# Altium PCB Carte_Alim-light_alim.PcbDoc (part 2 of 3) (continued)
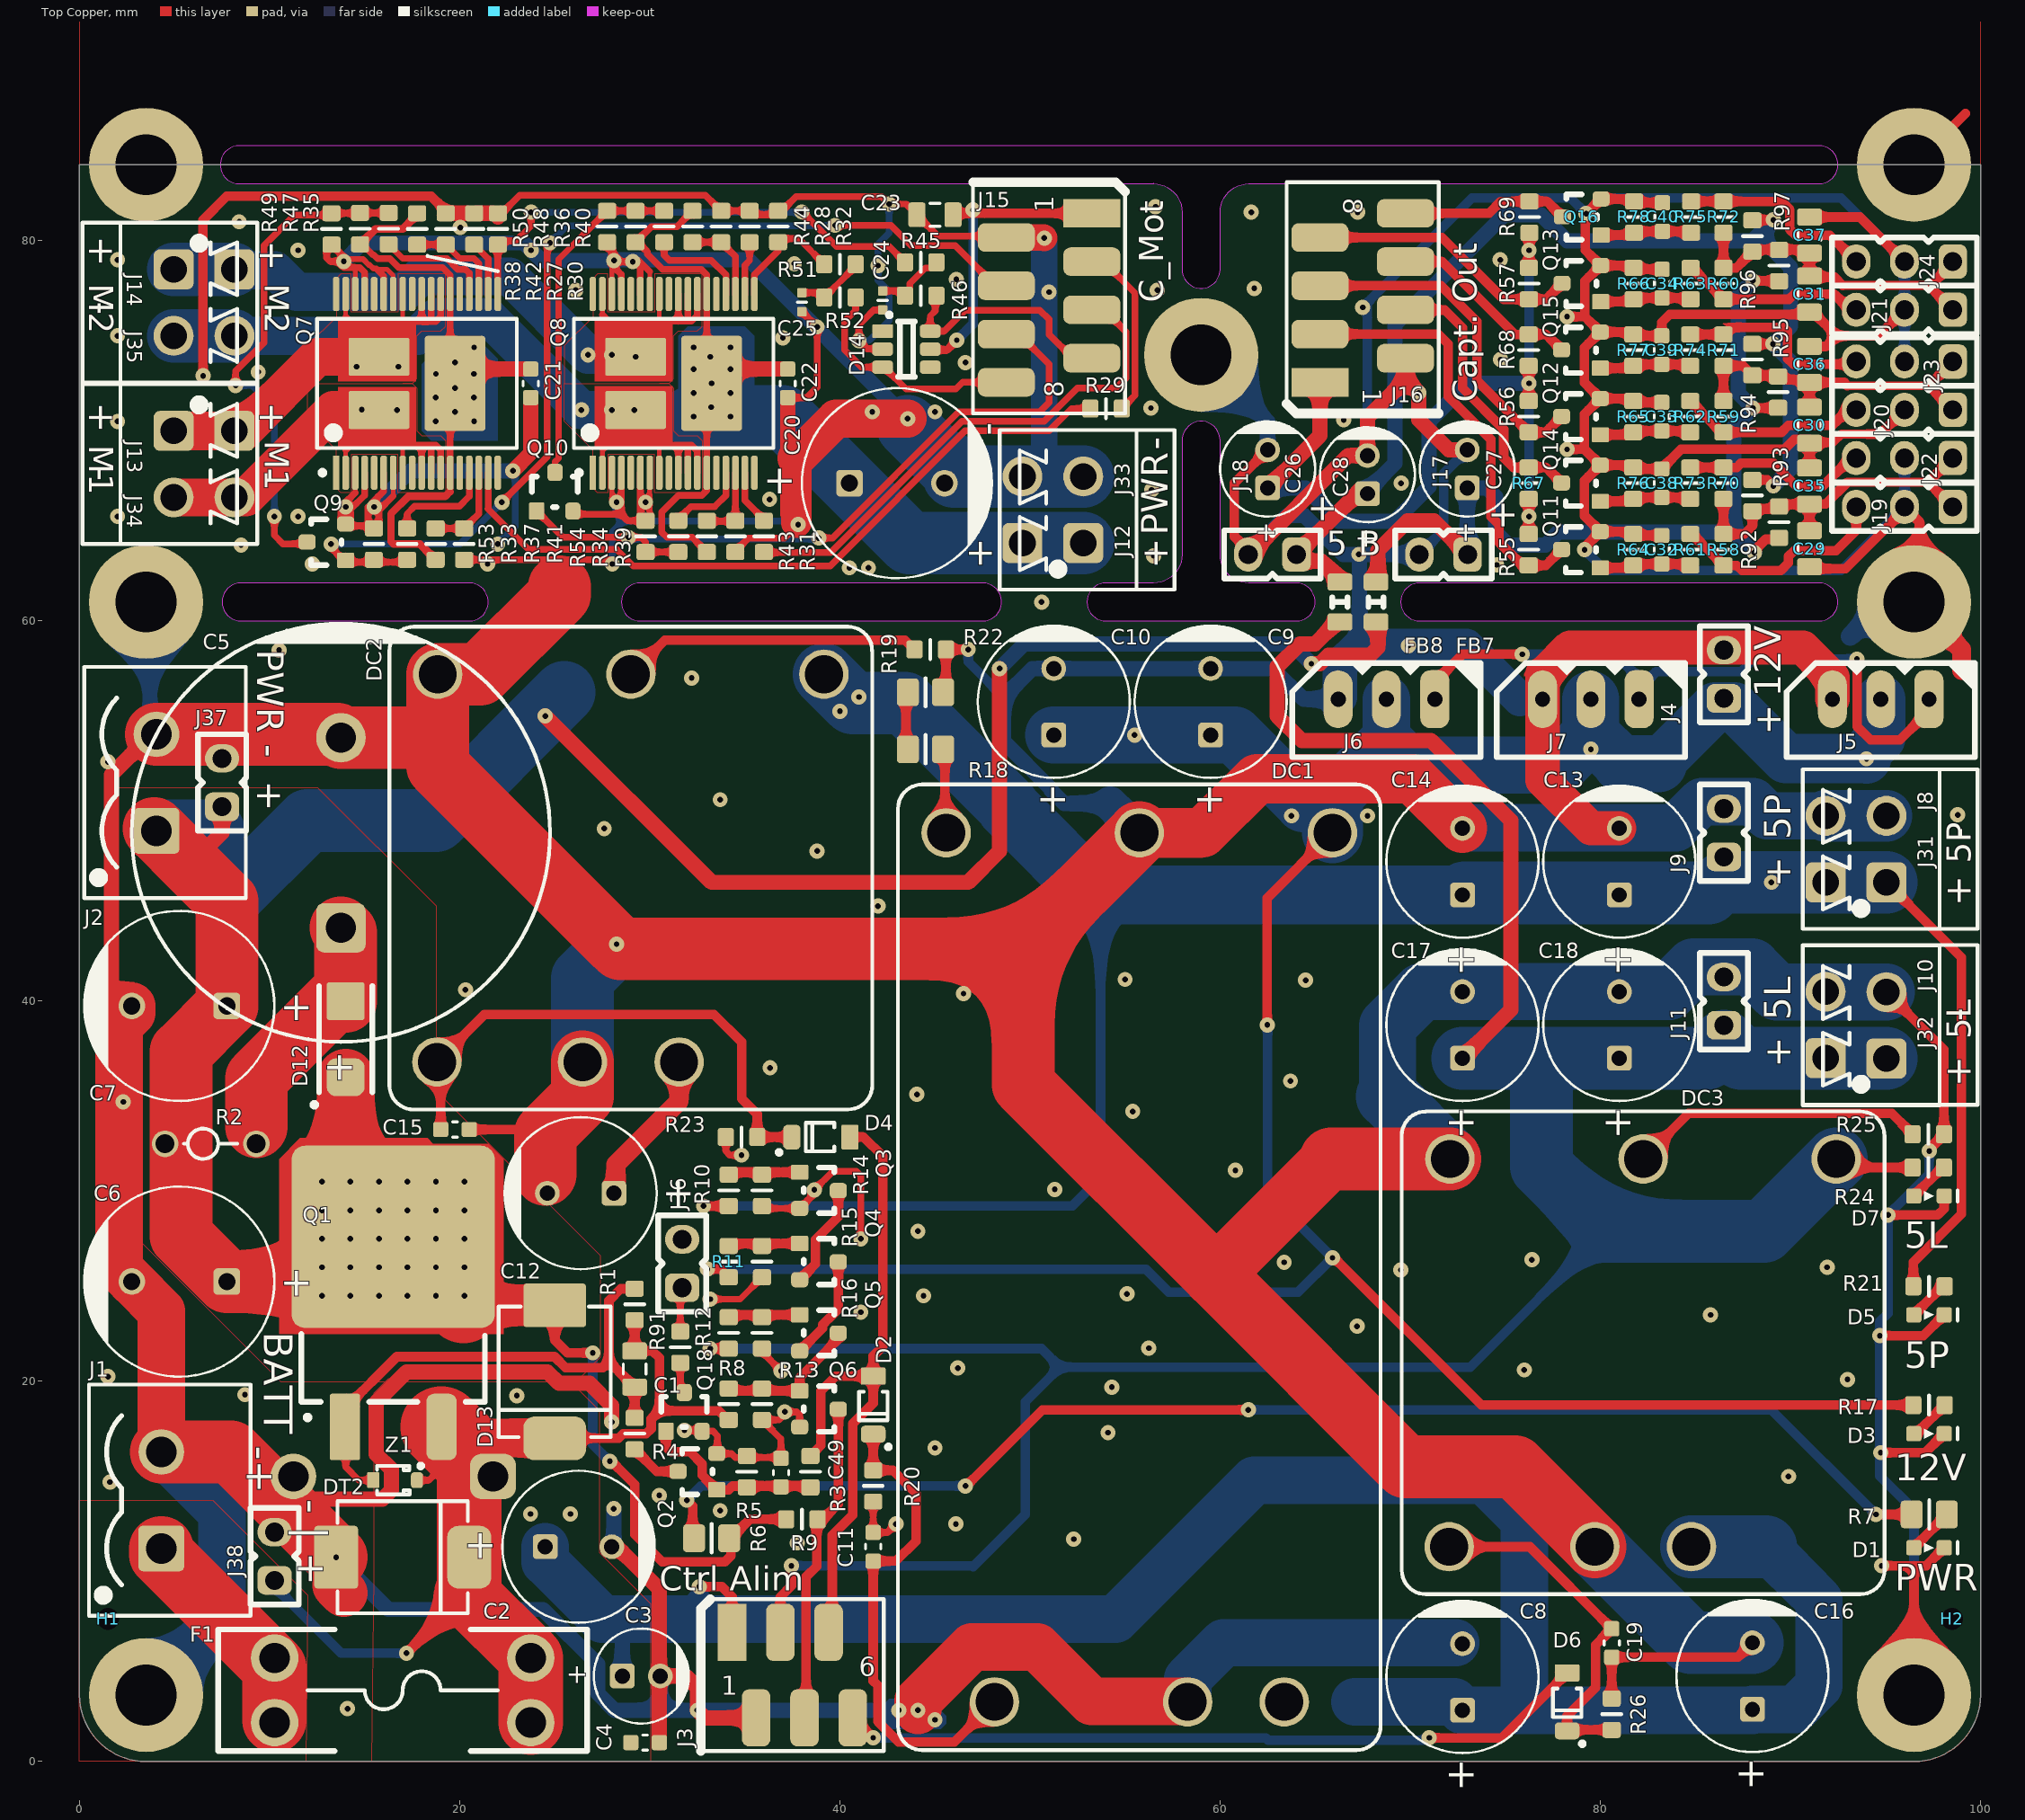
[diagram p0: Top Copper view]
## Nets (pads, with @x,y where several pads share a name; then routed paths per layer and width w, separated by ;. In a path a pad name is that pad's centre, name@x,y a point inside that pad or via, vN(x,y) a via of type N, cw(c..) or ccw(c..) an arc to the next point about the centre after c; other vN are vias at no path point) (continued)
NetJ20_3: J20.3 R59.1 R62.1 | length 9.9
  Top Copper w0.5: R62.1@84.73,71.575 86.38,69.925 89.525,69.925 89.9,70.3 92.2,70.3 93.01,71.11 J20.3@93.46,71.11
NetJ21_3: J21.3 R60.1 R63.1 | length 9.8
  Top Copper w0.5: R63.1@84.83,78.575 R60.1@86.48,76.925 89.925,76.925 90.2,77.2 92.297,77.2 93.127,76.37 J21.3@93.46,76.37
NetJ22_3: J22.3 R70.1 R73.1 | length 9.9
  Top Copper w0.5: R73.1@84.73,68.075 R70.1@86.48,68.075 87.175,68.075 87.4,68.3 89.1,68.3 90.3,67.1 91.7,67.1 93.17,68.57 J22.3@93.46,68.57
NetJ23_3: J23.3 R71.1 R74.1 | length 10.6
  Top Copper w0.5: R74.1@84.73,75.075 R71.1@86.48,75.075 86.855,75.45 89.65,75.45 89.852,75.248 89.852,73.797 90.097,73.552 90.11,73.552 90.158,73.504 93.314,73.504 J23.3@93.46,73.65
NetJ24_3: J24.3 R72.1 R75.1 | length 10.6
  Top Copper w0.5: R75.1@84.77,82.075 R72.1@86.48,82.075 89.525,82.075 89.973,81.627 89.973,80.59 90.266,80.297 92.073,80.297 J24.3@93.46,78.91
NetQ2_3: Q2.3 R4.2 | length 2.8
  Top Copper w0.5: R4.2@29.2,16.425 30.362,15.263 Q2.3@31.484,15.263
NetQ3_1: Q3.1 R10.1 R14.2 | length 3.6
  Top Copper w0.5: R10.1@34.278,31.003 Q3.1@37.884,31.003
NetQ3_3: Q3.3 Q4.2 | length 5.5
  Top Copper w0.5: Q4.2@37.884,25.348 38.711,26.175 38.711,27.453 39.916,28.657 Q3.3@39.916,30.037
NetQ4_1: Q4.1 R11.1 R15.2 | length 3.6
  Top Copper w0.5: R11.1@34.278,27.253 Q4.1@37.884,27.253
NetQ4_3: Q4.3 Q5.2 | length 5.5
  Top Copper w0.5: Q5.2@37.884,21.598 39.089,22.802 39.089,22.976 39.427,23.314 39.44,23.314 39.916,23.791 Q4.3@39.916,26.287
NetQ5_1: Q5.1 R12.1 R16.2 | length 3.6
  Top Copper w0.5: R12.1@34.278,23.503 Q5.1@37.884,23.503
NetQ5_3: Q5.3 Q6.1 R8.1 R13.2 | length 7.5
  Top Copper w0.5: R8.1@34.272,19.502 Q6.1@37.884,19.502 37.884,20.201 39.916,22.233 Q5.3@39.916,22.537
NetQ7_15: Q7.15 R33.2 | length 5.7
  Top Copper w0.35: R33.2@17.234,64.872 17.234,65.648 17.632,66.045 19.982,66.045 20.484,66.547 ; 20.5,66.547 Q7.15@20.5,67.8
NetQ7_16: Q7.16 R37.1 R41.2 | length 4.7
  Top Copper w0.35: R37.1@18.734,64.872 R41.2@20.234,64.872 21,65.638 Q7.16@21,67.8
NetQ7_17: Q7.17 R29.2 | length 38.3
  Top Copper w0.35: 21.484,65.906 23.632,63.758 28.268,63.758 29.126,62.9 39.49,62.9 46.59,70 51,70 52.175,71.175 R29.2@53.175,71.175 ; 21.5,65.906 Q7.17@21.5,67.8
NetQ7_20: Q7.20 R27.2 | length 2.9
  Top Copper w0.35: R27.2@20.758,79.799 21.484,79.073 21.486,79.073 21.5,79.059 Q7.20@21.5,77.2
NetQ7_21: Q7.21 R38.1 R42.2 | length 5.3
  Top Copper w0.35: R38.1@17.759,79.8 R42.2@19.259,79.8 19.275,79.8 20.002,79.073 20.743,79.073 21,78.816 Q7.21@21,77.2
NetQ7_22: Q7.22 R35.2 | length 6
  Top Copper w0.35: R35.2@16.259,79.815 17.001,79.073 19.327,79.073 19.898,78.502 20.298,78.502 20.5,78.3 Q7.22@20.5,77.2
NetQ8_15: Q8.15 R34.2 | length 4.5
  Top Copper w0.35: R34.2@31.5,65.075 R34.2@31.5,65.277 31.5,65.359 32.164,66.023 33.423,66.023 34,66.6 Q8.15@34,67.8
NetQ8_16: Q8.16 R39.1 R43.2 | length 4.1
  Top Copper w0.35: R39.1@33,65.075 33.175,65.25 34.5,65.25 R43.2@34.5,65.277 Q8.16@34.5,67.8
NetQ8_17: Q8.17 R31.2 | length 3.1
  Top Copper w0.35: Q8.17@35,67.8 35,66.348 36,65.348 R31.2@36,65.277 R31.2@36,65.075
NetQ8_20: Q8.20 R28.2 | length 2.8
  Top Copper w0.35: Q8.20@35,77.2 35,78.716 35.25,78.966 R28.2@35.25,79.925
NetQ8_21: Q8.21 R40.1 R44.2 | length 4.5
  Top Copper w0.35: R40.1@32.25,79.925 R44.2@33.75,79.925 34.5,79.175 Q8.21@34.5,77.2
NetQ8_22: Q8.22 R36.2 | length 5.4
  Top Copper w0.35: R36.2@30.75,79.925 30.75,79.25 31.023,78.977 33.235,78.977 34,78.212 Q8.22@34,77.2
NetQ17_1: 
NetQ17_3: 
NetQ18_3: Q18.3 R91.1 | length 1.6
  Top Copper w0.35: R91.1@31.6,20.975 31.6,19.688 Q18.3@31.844,19.444
NetQ19_1: 
NetR6_2: R6.2 R7.2 | length 71.1
  Top Copper w0.5: v1(31.944,13.75) 32.25,13.444 32.25,11.775 R6.2@32.225,11.75 ; v1(46.6,14.5) 46.65,14.5 50.65,18.5 v1(61.48,18.5) ; v1(94.5,13) R7.2@96.375,13 R7.2@96.182,12.807
  Bottom Copper w0.5: v1(31.944,13.75) 32.694,14.5 v1(46.6,14.5) ; v1(61.48,18.5) 89,18.5 v1(94.5,13)
NetR18_2: R18.2 R19.1 | length 3
  Top Copper w0.5: R18.2@43.475,53.25 R19.1@43.475,56.25
NetR85_2: 
NRST_NUCLEO: 
nRST_oDrive: J36.1 R91.2 | length 2.2
  Top Copper w0.35: R91.2@31.6,22.625 J36.1@31.6,24.83
PWR: C6.1 C7.1 C20.1 C21.2 C22.2 D12.2 D13.1 FB7.1 J2.1 J12.1 J33.1 J37.1 Q1.4 Q7.13 Q7.24 Q7.37 Q8.13 Q8.24 Q8.37 R2.1 R6.1 R9.2 R37.2 R38.2 R39.2 R40.2 R47.2 R48.2 | length 254.2
  Top Copper w0.35: R47.2@14.759,79.815 14.885,79.815 15.435,79.265 15.482,79.265 15.681,79.066 16.333,79.066 16.803,78.596 19.104,78.596 19.5,78.2 Q7.24@19.5,77.2 Q7.37@19.5,72.75 ; 19.5,66.798 Q7.13@19.5,67.8 Q7.37@19.5,72.25 ; R40.2@32.25,81.575 31.425,80.75 30.075,80.75 R48.2@29.25,79.925 29.371,79.925 29.875,79.421 29.875,79.3 30.675,78.5 32.712,78.5 33,78.212 Q8.24@33,77.2 Q8.37@33,72.75 ; R39.2@33,63.628 32.228,64.4 30.9,64.4 30.625,64.675 30.625,64.696 30.626,64.697 30.626,65.731 31.493,66.598 32.728,66.598 33,66.87 33,71.25 33,72.25 v1(33.25,72.5)
  Top Copper w0.4: R47.2@14.759,79.815 15.569,80.625 17.009,80.625 17.759,81.375 R38.2@17.759,81.45 ; R37.2@18.734,63.222 17.909,64.047 16.518,64.047 16.384,64.182 16.384,65.64 17.292,66.547 19.234,66.547 19.484,66.798
  Top Copper w0.5: D13.1@25,24 25,22.175 25.675,21.5 v1(27,21.5) ; v1(27.9,15.8) 27.981,15.8 29.2,14.581 29.2,11.95 30.65,10.5 33.95,10.5 34.275,10.825 34.275,11.75 35.275,12.75 R9.2@37.175,12.75
  Top Copper w0.8: 5.835,47.175 5.835,47.195 7.5,48.86 J37.1@7.5,50.23 ; Q7.37@20.5,73.25 C21.2@23.735,73.25 ; v1(24.5,55) 33.25,46.25 46.75,46.25 48.4,47.9 v1(48.4,57.5) ; Q8.37@34,73.25 v1(34.25,73.25) C22.2@37.25,73.25 ; v1(64.801,57.75) 65.255,57.75 65.705,58.2 67.9,58.2 68.3,58.6 FB7.1@68.3,59.7
  Top Copper w2: Q1.4@20.2,24 D13.1@25,24
  Top Copper w3: D12.2@14,36 14,30.5 14,30.45 Q1.4@15.25,29.2
  Top Copper w3.3: J2.1@3.925,49.085 J2.1@4.05,48.96 5.835,47.175 7.75,45.26 C7.1@7.75,39.75 5.35,37.35 5.35,27.65 C6.1@7.61,25.39 ; C6.1@7.75,25.25 Q1.4@14.3,25.25
  Top Copper w4: Q1.4@16.5,27.7 Q1.4@20.2,24
  Bottom Copper w0.5: v1(27,21.5) 27,16.675 27.875,15.8 v1(27.9,15.8)
  Bottom Copper w0.8: v1(48.4,57.5) 49.7,58.8 63.751,58.8 v1(64.801,57.75)
  Bottom Copper w3.3: J2.1@4.05,48.96 7.04,48.96 ; C7.1@7.75,39.75 7.75,45.25 12,49.5 18.75,49.5 25.5,56.25 ; v1@32.25,70.75 v1(32.302,70.75) v1(34.25,70.75) 37,70.75 43.65,64.1 J12.1@49.6,64.1 J33.1@52.8,64.1
  other v1: 12.75,24.5 14.25,24.5 15.75,24.5 17.25,24.5 18.75,24.5 20.25,24.5 12.75,26 14.25,26 15.75,26 17.25,26 18.75,26 20.25,26 12.75,27.5 14.25,27.5 15.75,27.5 17.25,27.5 18.75,27.5 20.25,27.5 12.75,29 14.25,29 15.75,29 17.25,29 18.75,29 20.25,29 12.75,30.5 14.25,30.5 15.75,30.5 17.25,30.5 18.75,30.5 20.25,30.5 18.734,70.5 20.759,70.5 19.75,71 33.235,71.25 18.734,71.75 20.743,71.75 32.302,72 34.25,72 19.75,72.25 18.75,73 20.743,73 32.3,73.25 19.75,73.599 33.175,73.9 20.759,74.396 32.302,74.396 34.25,74.396
PWR_CAP: C27.1 FB7.2 J17.1 R93.1 R95.1 R97.1 | length 47.8
  Top Copper w0.5: v1(88.025,71.2) R95.1@89.35,71.2 ; v1(88.025,77.9) R97.1@89.4,77.9 ; v1(88.1,63.6) 88.1,63.7 88.7,64.3 R93.1@89.4,64.3
  Top Copper w0.8: FB7.2@68.3,62.3 68.3,63.71 69.867,65.277 71.243,65.277 J17.1@73.02,63.5
  Bottom Copper w0.8: J17.1@73.02,63.5 73,63.52 C27.1@73,67 74.05,67 74.5,66.55 74.5,64.675 75.175,64 77.114,64 77.791,64.677 87.023,64.677 87.025,64.675 ; v1(88.025,77.9) 87.25,77.125 87.25,71.975 v1(88.025,71.2) 87.025,70.2 87.025,64.675 ; v1(88.1,63.6) 87.025,64.675
SR_OD: C49.2 Q2.1 Q18.1 R3.2 R5.1 | length 9.7
  Top Copper w0.5: Q18.1@30.847,17.38 30.847,16.553 31.11,16.29 32.11,16.29 32.75,15.65 32.75,15.064 Q2.1@33.516,14.297 34.15,14.297 34.353,14.5 35.1,14.5 36.7,14.5 R3.2@38.375,14.5
SW_1: 
SW_2: 
SW_3: 
SW_AU: D2.1 D4.1 J3.5 R3.1 | length 35.1
  Top Copper w0.5: R3.1@38.45,16.075 38.5,16.075 38.675,16.25 38.675,16.3 39,16.625 39,19.495 39.78,20.275 D2.1@41.75,20.275 ; J3.5@39.405,6.8 39.6,6.995 39.6,11.9 40.675,12.975 40.675,17.775 41.75,18.85 D2.1@41.75,20.275 ; D4.1@40.525,32.85 41.25,32.85 42.25,31.85 42.25,21.834 41.75,21.334 D2.1@41.75,20.275
SW_L: D6.1 J3.6 | length 39.3
  Top Copper w0.5: J3.6@40.675,2.3 41.725,1.25 v1(41.75,1.25) ; v1(71,1.25) 74.835,1.25 D6.1@78.25,4.665
  Bottom Copper w0.5: v1(41.75,1.25) 62.393,1.25 62.53,1.113 70.64,1.113 v1@70.777,1.25
SW_TIRETTE: 
VBATT: C1.2 C2.1 C3.1 C4.2 C8.1 C12.1 C16.1 D13.2 DC1.1 DC2.1 DC3.1 DT2.2 F1.2 F1.4 J3.1 J38.1 pad.0@21.75,15 Q1.3 R1.2 R8.2 Z1.2 | length 175.6
  Top Copper w0.35: Z1.2@17.75,14.8 18.375,14.8 19.04,15.465
  Top Copper w0.5: v1(17.2,5.7) 20.343,8.842 ; 19.04,15.465 Q1.3@19.04,17.6 ; D13.2@25.5,17.014 28.356,17.014 28.592,17.25 29.808,17.25 30.07,17.512 30.07,18.02 30.502,18.452 ; C1.2@29.2,21.6 R1.2@29.2,23.225 ; C1.2@29.228,21.6 29.228,21.598 30.137,21.598 30.502,21.233 30.502,18.452 ; v1(32.6,9.2) 33.783,9.2 34.325,8.658 J3.1@34.325,6.8 ; R8.2@34.15,17.975 34.1,17.975 33.623,18.452 30.502,18.452
  Top Copper w1: C12.1@28.21,29.9 28.21,31.406 31.54,34.736 DC2.1@31.54,36.8
  Top Copper w2: 20.5,16.14 21.385,17.025 24.975,17.025 D13.2@25,17
  Top Copper w3.4: 20.343,8.842 F1.2@23.735,5.45 F1.4@23.735,2.05 ; 20.5,8.685 DT2.2@20.5,10.75 20.5,16.14
  Top Copper w4.3: Q1.3@19.04,17.6 20.5,16.14
  Bottom Copper w0.5: J38.1@10.265,9.53 10.265,9.195 13.76,5.7 v1(17.2,5.7) ; 32.6,7.5 v1(32.6,9.2)
  Bottom Copper w0.8: C3.1@28.55,4.5 28.55,6.25
  Bottom Copper w2.5: C2.1@24.5,11.3 24.5,10.5 27.5,7.5 28.55,7.5 32.6,7.5 54.5,7.5 61.8,14.8 73.9,14.8 76,12.7 76,3 76.3,2.7 ; 67.1,3.14 72.31,3.14 C8.1@72.75,2.7 76.3,2.7 ; C16.1@88,2.7 76.3,2.7 ; C16.1@88,2.75 90.25,2.75 91.5,4 91.5,8.5 88.7,11.3
  Bottom Copper w3.3: DC3.1@84.79,11.3 88.7,11.3
  other v1: 23.725,13.025 25.825,13.025 23,19.25
VBATT_CLAV: 
pads on no net: D14.1 D14.4 H1.1 H2.1 Q7.1 Q7.5 Q7.9 Q7.14 Q7.18 Q7.23 Q7.28 Q7.32 Q7.36 Q8.1 Q8.5 Q8.9 Q8.14 Q8.18 Q8.23 Q8.28 Q8.32 Q8.36

## Polygon pours and split planes (outlines as drawn)
GND on Top Copper "GND_Bot" (solid, shelved, pour order 46): 3.5,0 96.5,0 ccw(c96.5,3.5) 100,3.5 100,96.5 ccw(c96.5,96.5) 96.5,100 3.5,100 ccw(c3.5,96.5) 0,96.5 0,3.5 ccw(c3.5,3.5)
MOT1_P on Top Copper "MOT1_P_bot" (solid, shelved, pour order 44): 17,72.5 17.5,72.5 17.75,72.75 17.75,75 18,75.25 18.5,75.25 19,75.25 19.25,75.5 19.25,78.25 16.75,78.25 16.75,76.25 14.293,76.25 14.293,78.25 13.75,78.25 13.5,78 13.5,76 12,74.5 12,72.5 17.5,72.5
MOT1_N on Top Copper "MOT1_N_bot" (solid, shelved, pour order 43): 17,72.5 17.5,72.5 17.75,72.25 17.75,70 18,69.75 18.5,69.75 19,69.75 19.25,69.5 19.25,66.75 16.75,66.75 16.75,68.75 14.293,68.75 14.293,66.75 13.75,66.75 13.5,67 13.5,69 12,70.5 12,72.5 17.5,72.5
MOT2_P on Top Copper "MOT2_P_bot" (solid, shelved, pour order 42): 30.5,72.5 31,72.5 31.25,72.75 31.25,75 31.5,75.25 32,75.25 32.5,75.25 32.75,75.5 32.75,78.25 30.25,78.25 30.25,76.25 27.793,76.25 27.793,78.25 27.25,78.25 27,78 27,76 25.5,74.5 25.5,72.5 31,72.5
MOT2_N on Top Copper "MOT2_N_bot" (solid, shelved, pour order 41): 30.5,72.5 31,72.5 31.25,72.25 31.25,70 31.5,69.75 32,69.75 32.5,69.75 32.75,69.5 32.75,66.75 30.25,66.75 30.25,68.75 27.793,68.75 27.793,66.75 27.25,66.75 27,67 27,69 25.5,70.5 25.5,72.5 31,72.5
PWR on Top Copper "PWR_1" (solid, shelved, pour order 32): 1.75,51.25 12.515,51.25 18.75,45.015 18.75,40 18.75,35.275 27.4,26.625 27.4,21.263 26.106,19.97 10.603,19.97 2.073,28.5 1.75,28.823
VBATT on Top Copper "VBATT_1" (solid, shelved, pour order 31): 30.048,0 15.39,0 15.5,9.75 15.5,19.4 16.25,20.15 25.67,20.15 27.347,18.472 27.347,11 30.048,8.3
BATT_P on Top Copper "BATT_P" (solid, shelved, pour order 29): 12,8.75 11.901,0 0,0 0,13.75 7,13.75
GND on Bottom Copper "GND_Top" (solid, shelved, pour order 45): 3.5,0 96.5,0 ccw(c96.5,3.5) 100,3.5 100,96.5 ccw(c96.5,96.5) 96.5,100 3.5,100 ccw(c3.5,96.5) 0,96.5 0,3.5 ccw(c3.5,3.5)
12V on Bottom Copper "12V_1" (solid, shelved, pour order 37): 98,54.5 98,52.525 96.975,51.5 97,51.5 84.567,51.5 83.777,50.71 69.2,50.71 68,49.51 68,48.586 66.497,47.084 64.966,47.084 60.55,51.5 52.5,51.5 51.55,51.5 49.5,53.55 49.5,55.5 50,56 62.486,56 64.386,54.1 66.134,54.1 67.034,55 67.034,56.831 68.202,58 96.5,58 98,56.5 98,52.5
VBATT on Bottom Copper "VBATT_2" (solid, shelved, pour order 30): 28.565,38.65 29.165,39.25 33.8,39.25 34.4,38.65 34.4,35.025 30.035,30.66 30.035,25.252 27.375,22.592 27.375,11.9 30.075,9.2 37.6,9.2 53.7,9.2 61.2,16.7 86.1,16.7 92.8,10 92.8,2.8 91,1 62.8,1 53.4,1 47.3,1 44.8,3.5 32.25,3.5 31.5,4.25 28.926,4.25 23.361,9.5 20.8,9.5 18.9,9.5 18.4,10 18.4,18.65 26.3,26.55 26.3,32.89 28.565,35.079
5P on Bottom Copper "5P_1" (solid, shelved, pour order 36): 98,47 98,44.5 96,42.5 46.5,42.5 37,52 37,58 37.8,58.8 42.811,58.8 54.021,47.59 84.091,47.59 85.361,48.86 88.077,48.86 88.937,48 96.195,48 97,48
PWR on Bottom Copper "PWR_3" (solid, shelved, pour order 34): 28.5,62 21.5,62 23.304,63.804 23.304,68.196 23.05,68.45 12.875,68.45 11.875,69.45 11.875,75.5 21.5,75.5 27,70 28.5,70 31.296,72.796 31.296,76.921 31.85,77.475 36.05,77.475 36.375,77.15 36.375,74.659 36.517,74.517 45.284,65.75 54.75,65.75 55.5,65 55.5,63.5 54.5,62.5 42.506,62.5 38.006,67 27.5,67 27.5,62.77
PWR on Bottom Copper "PWR_2" (solid, shelved, pour order 33): 2,51 2,41.5 5.5,38 9,38 11.576,38 28.576,55 28.576,62 21.432,62 21.432,57.432 16,52 3,52
MOT2_P on Bottom Copper "MOT2_P" (solid, shelved, pour order 39): 30.75,75 31,74.75 31,73 30.75,72.75 26.75,72.75 26.5,72.75 22.5,76.75 22.25,77 18.25,77 17.5,76.25 8.75,76.25 8,77 4.75,77 3.75,78 3.75,79 4.5,79.75 8.75,79.75 10.25,78.25 15.75,78.25 16.5,78.25 17.5,79.25 23,79.25 27.25,75
MOT2_N on Bottom Copper "MOT2_N" (solid, shelved, pour order 40): 30.5,72.5 30.75,72.25 30.75,70.75 30,70 26,70 21,75 19.25,75 18,73.75 4.5,73.75 3.75,74.5 3.75,75.5 4.5,76.25 23,76.25 26.75,72.5
PWR on Bottom Copper "PWR_4" (solid, shelved, pour order 35): 6.35,27.6 11.925,33.175 21.6,33.175 23.125,31.65 23.125,23.551 18.424,18.85 10.525,18.85 6.35,23.025
5L on Bottom Copper "5L_1" (solid, shelved, pour order 38): 97.5,37.5 97.5,34 89,25.5 79.347,25.5 79,25.5 70,34.5 70,38.675 71.325,40 95,40
GND on Ground Plane (split plane): 191 vertices, not listed, extent 0.51,0.51 99.49,83.49
PWR_CAP on Power Plane (split plane): 99.49,61.076 93.011,61.076 93.011,61.132 93.009,61.148 93.01,61.165 93.004,61.198 93.001,61.231 92.996,61.247 92.993,61.264 92.925,61.518 92.919,61.534 92.916,61.55 92.902,61.581 92.89,61.612 92.881,61.626 92.874,61.641 92.743,61.869 92.733,61.883 92.725,61.898 92.704,61.924 92.684,61.951 92.672,61.962 92.661,61.975 92.475,62.161 92.462,62.172 92.451,62.184 92.424,62.204 92.398,62.225 92.383,62.233 92.369,62.243 92.141,62.374 92.126,62.381 92.112,62.39 92.081,62.402 92.05,62.416 92.034,62.419 92.018,62.425 91.764,62.493 91.747,62.496 91.731,62.501 91.698,62.504 91.665,62.51 91.648,62.509 91.632,62.511 71.176,62.511 71.176,67.268 72.832,68.924 83,68.924 83.029,68.929 83.054,68.946 86.154,72.046 86.171,72.071 86.176,72.1 86.176,78.468 86.832,79.124 87.768,79.124 88.524,78.368 88.524,66.3 88.529,66.271 88.546,66.246 89.346,65.446 89.371,65.429 89.4,65.424 89.75,65.424 89.779,65.429 89.804,65.446 90.554,66.196 90.564,66.211 90.571,66.221 90.576,66.25 90.576,82.489 91.5,82.489 91.599,82.489 91.618,82.491 91.698,82.499 91.891,82.537 91.965,82.56 91.987,82.566 92.169,82.642 92.257,82.689 92.421,82.799 92.499,82.862 92.638,83.001 92.69,83.065 92.701,83.079 92.811,83.243 92.858,83.331 92.924,83.49 99.49,83.49
12V on Power Plane (split plane): 99.49,51.826 72.25,51.826 72.221,51.821 72.208,51.812 72.196,51.804 67.718,47.326 53.032,47.326 48.576,51.782 48.576,56.468 52.582,60.474 52.642,60.331 52.689,60.243 52.799,60.079 52.862,60.001 53.001,59.862 53.065,59.81 53.079,59.799 53.243,59.689 53.331,59.642 53.513,59.566 53.555,59.554 53.609,59.537 53.802,59.499 53.882,59.491 53.901,59.489 64.132,59.489 64.148,59.491 64.165,59.49 64.198,59.496 64.231,59.499 64.247,59.504 64.264,59.507 64.518,59.575 64.534,59.581 64.55,59.584 64.581,59.598 64.612,59.61 64.626,59.619 64.641,59.626 64.869,59.757 64.883,59.767 64.898,59.775 64.924,59.796 64.951,59.816 64.962,59.828 64.975,59.839 65.161,60.025 65.172,60.038 65.184,60.049 65.204,60.076 65.225,60.102 65.233,60.117 65.243,60.131 65.374,60.359 65.381,60.374 65.39,60.388 65.402,60.419 65.416,60.45 65.419,60.466 65.425,60.482 65.493,60.736 65.496,60.753 65.501,60.769 65.504,60.802 65.51,60.835 65.509,60.852 65.511,60.868 65.511,60.924 68.989,60.924 68.989,60.901 68.991,60.882 68.999,60.802 69.037,60.609 69.06,60.535 69.066,60.513 69.142,60.331 69.189,60.243 69.299,60.079 69.362,60.001 69.501,59.862 69.565,59.81 69.579,59.799 69.743,59.689 69.831,59.642 70.013,59.566 70.055,59.554 70.109,59.537 70.302,59.499 70.382,59.491 70.401,59.489 91.632,59.489 91.648,59.491 91.665,59.49 91.698,59.496 91.731,59.499 91.747,59.504 91.764,59.507 92.018,59.575 92.034,59.581 92.05,59.584 92.081,59.598 92.112,59.61 92.126,59.619 92.141,59.626 92.369,59.757 92.383,59.767 92.398,59.775 92.424,59.796 92.451,59.816 92.462,59.828 92.475,59.839 92.661,60.025 92.672,60.038 92.684,60.049 92.704,60.076 92.725,60.102 92.733,60.117 92.743,60.131 92.874,60.359 92.881,60.374 92.89,60.388 92.902,60.419 92.916,60.45 92.919,60.466 92.925,60.482 92.993,60.736 92.996,60.753 93.001,60.769 93.004,60.802 93.01,60.835 93.009,60.852 93.011,60.868 93.011,60.924 99.49,60.924
3L_CAP on Power Plane (split plane): 77.674,73.032 76.468,71.826 69.5,71.826 69.471,71.821 69.461,71.814 69.446,71.804 62.946,65.304 62.929,65.279 62.924,65.25 62.924,62.511 61.513,62.511 61.416,62.516 61.214,62.556 61.035,62.63 60.874,62.737 60.737,62.874 60.63,63.035 60.556,63.214 60.516,63.416 60.511,63.513 60.511,69.5 60.511,69.632 60.509,69.648 60.51,69.665 60.504,69.698 60.501,69.731 60.496,69.747 60.493,69.764 60.425,70.018 60.419,70.034 60.416,70.05 60.402,70.081 60.39,70.112 60.381,70.126 60.374,70.141 60.243,70.369 60.233,70.383 60.225,70.398 60.204,70.424 60.184,70.451 60.172,70.462 60.161,70.475 59.975,70.661 59.962,70.672 59.951,70.684 59.924,70.704 59.898,70.725 59.883,70.733 59.869,70.743 59.641,70.874 59.626,70.881 59.612,70.89 59.581,70.902 59.55,70.916 59.534,70.919 59.518,70.925 59.264,70.993 59.247,70.996 59.231,71.001 59.198,71.004 59.165,71.01 59.148,71.009 59.132,71.011 59.076,71.011 59.076,76.989 59.132,76.989 59.148,76.991 59.165,76.99 59.198,76.996 59.231,76.999 59.247,77.004 59.264,77.007 59.518,77.075 59.534,77.081 59.55,77.084 59.581,77.098 59.612,77.11 59.626,77.119 59.641,77.126 59.869,77.257 59.883,77.267 59.898,77.275 59.924,77.296 59.951,77.316 59.962,77.328 59.975,77.339 60.161,77.525 60.172,77.538 60.184,77.549 60.204,77.576 60.225,77.602 60.233,77.617 60.243,77.631 60.374,77.859 60.381,77.874 60.39,77.888 60.402,77.919 60.416,77.95 60.419,77.966 60.425,77.982 60.493,78.236 60.496,78.253 60.501,78.269 60.504,78.302 60.51,78.335 60.509,78.352 60.511,78.368 60.511,78.5 60.511,81.487 60.516,81.584 60.556,81.786 60.63,81.965 60.737,82.126 60.874,82.263 61.035,82.37 61.213,82.444 61.415,82.484 61.512,82.489 77.674,82.489
5L_CAP on Power Plane (split plane): 90.424,66.282 89.718,65.576 89.432,65.576 88.676,66.332 88.676,78.4 88.671,78.429 88.654,78.454 87.854,79.254 87.829,79.271 87.8,79.276 86.8,79.276 86.771,79.271 86.758,79.262 86.746,79.254 86.046,78.554 86.029,78.529 86.024,78.5 86.024,72.132 82.968,69.076 72.8,69.076 72.771,69.071 72.758,69.062 72.746,69.054 71.046,67.354 71.029,67.329 71.024,67.3 71.024,62.511 70.401,62.511 70.302,62.501 70.109,62.463 70.08,62.454 70.013,62.434 69.831,62.358 69.743,62.311 69.579,62.201 69.565,62.19 69.501,62.138 69.362,61.999 69.299,61.921 69.189,61.757 69.142,61.669 69.066,61.487 69.06,61.465 69.037,61.391 68.999,61.198 68.991,61.118 68.989,61.099 68.989,61.076 65.511,61.076 65.511,61.132 65.509,61.148 65.51,61.165 65.504,61.198 65.501,61.231 65.496,61.247 65.493,61.264 65.425,61.518 65.419,61.534 65.416,61.55 65.402,61.581 65.39,61.612 65.381,61.626 65.374,61.641 65.243,61.869 65.233,61.883 65.225,61.898 65.204,61.924 65.184,61.951 65.172,61.962 65.161,61.975 64.975,62.161 64.962,62.172 64.951,62.184 64.924,62.204 64.898,62.225 64.883,62.233 64.869,62.243 64.641,62.374 64.626,62.381 64.612,62.39 64.581,62.402 64.55,62.416 64.534,62.419 64.518,62.425 64.264,62.493 64.247,62.496 64.231,62.501 64.198,62.504 64.165,62.51 64.148,62.509 64.132,62.511 63.076,62.511 63.076,65.218 69.532,71.674 76.5,71.674 76.529,71.679 76.554,71.696 77.804,72.946 77.821,72.971 77.826,73 77.826,82.489 90.424,82.489
5P on Power Plane (split plane): 45.946,56.446 45.958,56.438 45.971,56.429 46,56.424 48.424,56.424 48.424,51.75 48.429,51.721 48.446,51.696 52.946,47.196 52.958,47.188 52.971,47.179 53,47.174 67.75,47.174 67.779,47.179 67.804,47.196 72.282,51.674 99.49,51.674 99.49,42.576 71.25,42.576 71.221,42.571 71.208,42.562 71.196,42.554 67.368,38.726 34.432,38.726 33.854,39.304 33.829,39.321 33.8,39.326 29.241,39.326 29.241,57.333 30.632,58.724 43.668,58.724
5L on Power Plane (split plane): 99.49,3.5 99.49,3.304 99.438,2.916 99.337,2.537 99.187,2.175 98.991,1.836 98.752,1.525 98.475,1.248 98.164,1.009 97.825,0.813 97.463,0.663 97.084,0.562 96.696,0.51 96.5,0.51 92.876,0.51 92.876,10 92.871,10.029 92.854,10.054 86.154,16.754 86.129,16.771 86.1,16.776 61.2,16.776 61.171,16.771 61.146,16.754 53.668,9.276 35.832,9.276 30.111,14.997 30.111,30.628 34.454,34.971 34.464,34.986 34.471,34.996 34.476,35.025 34.476,38.574 67.4,38.574 67.429,38.579 67.454,38.596 71.282,42.424 99.49,42.424
VBATT on Power Plane (split plane): 34.324,38.618 34.324,35.057 29.981,30.714 29.964,30.689 29.958,30.66 29.958,14.965 29.964,14.936 29.981,14.911 35.746,9.146 35.771,9.129 35.8,9.124 53.7,9.124 53.729,9.129 53.754,9.146 61.232,16.624 86.068,16.624 92.724,9.968 92.724,0.51 12.076,0.51 12.076,6 12.071,6.029 12.054,6.054 4.108,14 10.032,19.924 19.75,19.924 19.779,19.929 19.804,19.946 26.354,26.496 26.371,26.521 26.376,26.55 26.376,32.858 28.619,35.101 28.629,35.116 28.636,35.126 28.641,35.155 28.641,38.618 29.197,39.174 33.768,39.174
MOT2_P on Power Plane (split plane): 28.146,75.246 28.171,75.229 28.2,75.224 30.768,75.224 31.224,74.768 31.224,72.726 27.082,72.726 22.454,77.354 22.429,77.371 22.4,77.376 10.6,77.376 10.571,77.371 10.546,77.354 9.968,76.776 1.376,76.776 1.376,79.768 1.732,80.124 23.268,80.124
MOT2_N on Power Plane (split plane): 26.996,72.596 27.008,72.588 27.021,72.579 27.05,72.574 31.224,72.574 31.224,70.532 30.668,69.976 26.332,69.976 21.504,74.804 21.479,74.821 21.45,74.826 12.25,74.826 12.221,74.821 12.196,74.804 9.968,72.576 1.75,72.576 1.739,72.574 1.376,72.937 1.376,76.624 10,76.624 10.029,76.629 10.054,76.646 10.632,77.224 22.368,77.224
MOT1_P on Power Plane (split plane): 17.674,72.576 14,72.576 13.971,72.571 13.946,72.554 9.718,68.326 1.403,68.326 1.403,72.045 1.728,72.369 1.752,72.353 1.782,72.347 1.811,72.353 1.836,72.369 1.852,72.394 1.858,72.424 10,72.424 10.029,72.429 10.054,72.446 12.282,74.674 17.674,74.674
PWR on Power Plane (split plane): 202 vertices, not listed, extent 0.51,14.076 58.924,83.49
MOT1_N on Power Plane (split plane): 17.674,70.282 12.218,64.826 1.782,64.826 1.403,65.205 1.403,68.174 9.75,68.174 9.779,68.179 9.804,68.196 14.032,72.424 17.674,72.424
BATT_P on Power Plane (split plane): 11.924,5.968 11.924,0.51 3.5,0.51 3.304,0.51 2.916,0.562 2.537,0.663 2.175,0.813 1.836,1.009 1.525,1.248 1.248,1.525 1.009,1.836 0.813,2.175 0.663,2.537 0.562,2.916 0.51,3.304 0.51,3.5 0.51,13.924 3.968,13.924

## Other copper
Top Copper:
  region net PWR: 22.3,22.5 22.3,31.7 21.5,32.5 18.6,32.5 18.3,32.8 11.6,32.8 10.5,31.7 10.5,22.5
  region net MOT1_P: 17.7,72.6 17.7,75.9 13.6,75.9 13.6,72.6
  region net MOT2_P: 31.2,72.6 31.2,75.9 27.1,75.9 27.1,72.6
  region net MOT1_N: 17.7,72.3 17.7,69.1 13.6,69.1 13.6,72.3
  region net MOT2_N: 31.2,72.361 31.2,69.1 27.1,69.1 27.1,72.361
  region net PWR: 10.625,22.4
Bottom Copper:
  region net PWR: 18,73.5 19.268,74.768 21.021,74.768 22,73.788 22,69.5 18.5,69.5 18,70
  region net PWR: 31.5,75 32,75.5 35,75.5 35.5,75 35.5,70.39 35,69.89 32,69.89 31.5,70.39
  region net GND: 42.594,3.296 44.704,3.296 45.6,2.4 45.6,2 45.309,1.709 42.578,1.709 41.984,2.303 41.984,2.686 42.594,3.296
Power Plane (plane layer: these items are gaps in the copper):
  lines w0.15: 0,14 4,14 ; 0,84 59,84 ; 1.3,76.7 10,76.7 10.6,77.3 22.4,77.3 27.05,72.65 31.3,72.65 ; 1.326,68.25 9.75,68.25 14,72.5 17.75,72.5 ; 1.782,72.424 1.3,72.905 1.3,79.8 1.7,80.2 23.3,80.2 28.2,75.3 30.8,75.3 31.3,74.8 31.3,70.5 30.7,69.9 26.3,69.9 21.45,74.75 17.75,74.75 ; 12,0 12,6 4,14 ; 43,84 43,89.525 ; 63,61 63,65.25 69.5,71.75 76.5,71.75 77.75,73 77.75,84 ; 71.1,61 71.1,67.3 72.8,69 83,69 86.1,72.1 86.1,78.5 86.8,79.2 87.8,79.2 88.6,78.4 88.6,66.3 89.4,65.5 89.75,65.5 90.5,66.25 90.5,82.9 91.6,84 ; 92.8,0 92.8,10 86.1,16.7 61.2,16.7 53.7,9.2 35.8,9.2 30.035,14.965 30.035,30.66 34.4,35.025 34.4,38.65 ; 100,42.5 71.25,42.5 67.4,38.65 34.4,38.65 ; 100,51.75 72.25,51.75 67.75,47.25 53,47.25 48.5,51.75 48.5,56.5 ; 100,61 59,61 ; 100,84 59,84 ; 4,14 10,20 19.75,20 26.3,26.55 26.3,32.89 28.565,35.155 28.565,38.65 29.165,39.25 ; 17.75,74.75 17.75,70.25 12.25,64.75 1.75,64.75 1.326,65.174 1.326,72.076 1.75,72.5 10,72.5 12.25,74.75 17.75,74.75 ; 29.165,39.25 29.165,57.365 30.6,58.8 43.7,58.8 46,56.5 48.5,56.5 ; 29.165,39.25 33.8,39.25 34.4,38.65 ; 48.5,56.5 53,61 59,61 ; 59,61 59,84

## Silkscreen, mask and mechanical layers (free items; w line width, h text height)
Top Overlay:
  lines w0.2: 18.3,79.2 22,78.4
  text "+   -" at 0.5,80.25 h1.4 r270
  text "+   -" at 9.5,80 h1.4 r270
  text "M2" at 0.5,77.75 h1.27 r270
  text "M2" at 9.75,77.75 h1.27 r270
  text "C_Mot" at 57,76.75 h1.27 r90
  text "+   -" at 0.5,71.5 h1.4 r270
  text "+   -" at 9.5,71.5 h1.4 r270
  text "Capt. Out" at 73.5,71.5 h1.27 r90
  text "-" at 48.4,69.75 h1.4 r90
  text "M1" at 9.75,69.5 h1.27 r270
  text "M1" at 0.5,69.25 h1.27 r270
  text "-" at 57.25,69 h1.4 r90
  text "+" at 66,65.1 h1.4 r90
  text "+" at 75.5,64.77 h1.4 r90
  text "PWR" at 57.25,64.5 h1.4 r90
  text "5 B" at 65.594,63.457 h1.27
  text "+" at 48,62.75 h1.4 r90
  text "+" at 57.25,62.75 h1.4 r90
  text "PWR -  +" at 9.35,58.5 h1.4 r270
  text "12V" at 89.5,56 h1.4 r90
  text "+" at 89.5,54 h1.4 r90
  text "5P" at 90,48.5 h1.4 r90
  text "5P" at 99.5,47.25 h1.27 r90
  text "+" at 90,46 h1.4 r90
  text "+   -" at 99.5,45 h1.4 r90
  text "5L" at 90,39 h1.4 r90
  text "5L" at 99.5,38 h1.27 r90
  text "+" at 90,36.5 h1.4 r90
  text "+   -" at 99.5,35.5 h1.4 r90
  text "5L" at 96,27 h1.4
  text "BATT" at 9.7,22.6 h1.52 r270
  text "5P" at 96,20.703 h1.4
  text "-+" at 8.8,16.6 h1.52 r270
  text "12V" at 95.5,14.797 h1.4
  text "- | +" at 11.5,13.8 h1.52 r270
  text "Ctrl Alim" at 30.5,9 h1.27
  text "PWR" at 95.5,9 h1.4